# Altium PCB ZhuKong.PcbDoc (part 1 of 6) (continued)
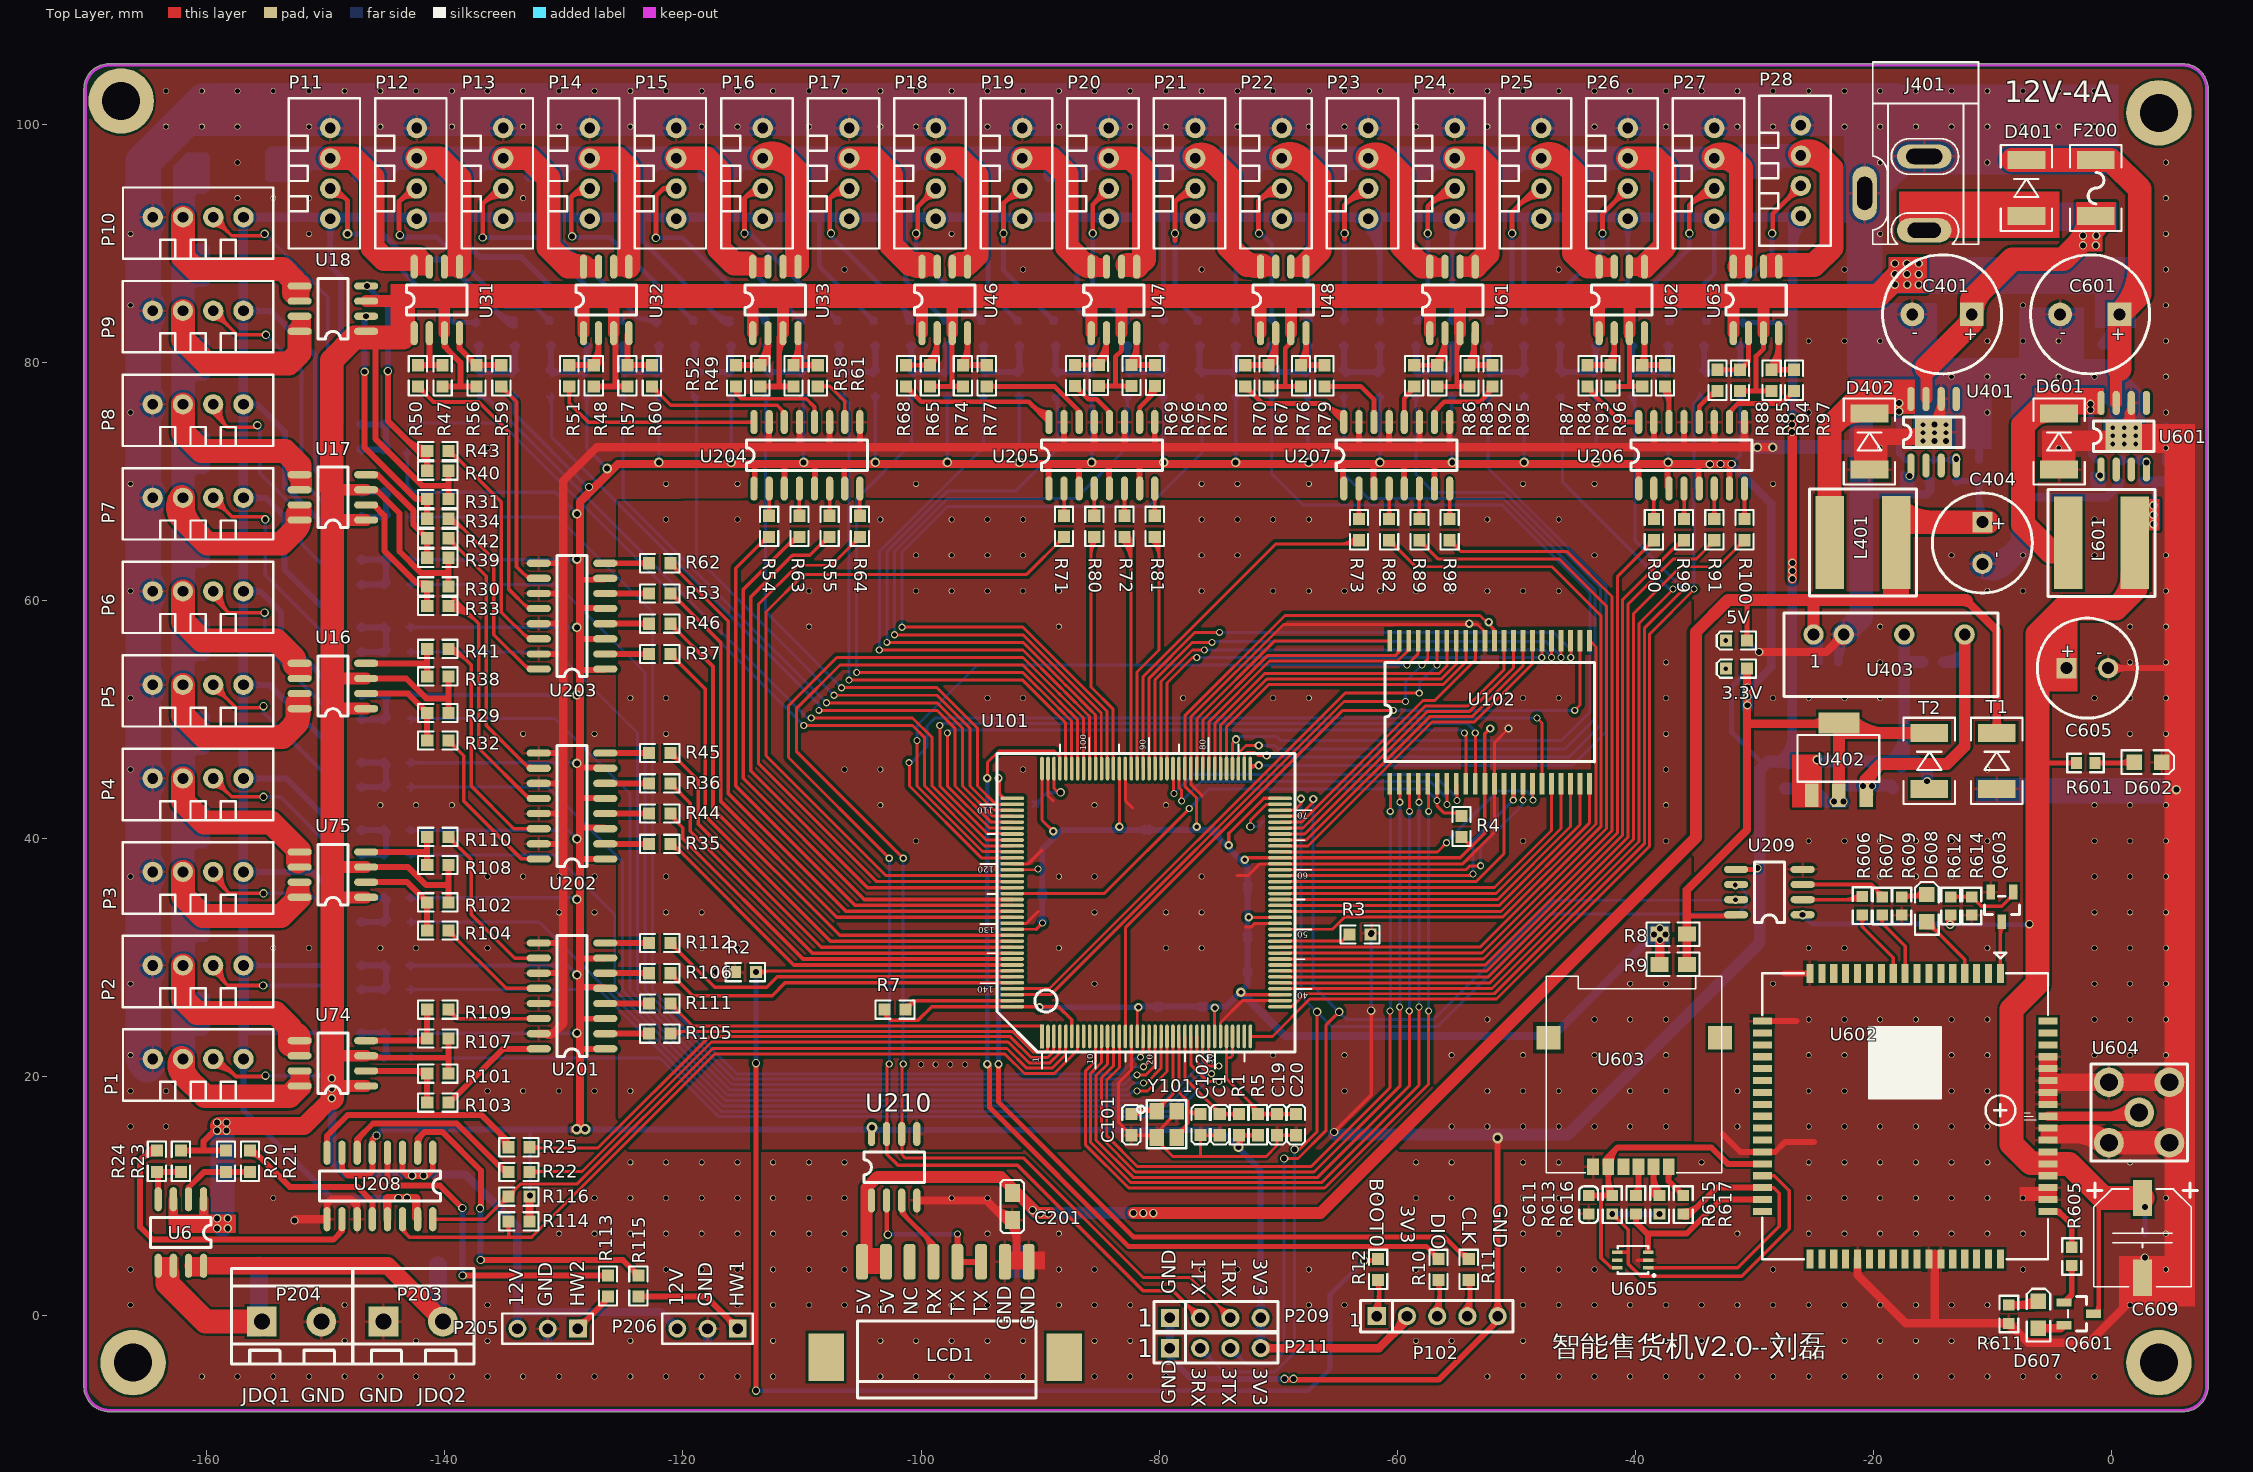
[diagram p0: Top Layer view]
## Components (designator, comment, footprint, x,y, rotation, side; value= is the part's Value field where it differs from the comment) (continued)
R561 "4K7" 0603R -73.564,78.323 r270 bottom
R562 "1K" 0603R -76.592,78.323 r90 bottom
R563 "1K" 0603R -76.592,82.489 r90 bottom
R564 "4K7" 0603R -67.508,78.323 r270 bottom
R565 "1K" 0603R -70.536,78.323 r90 bottom
R566 "1K" 0603R -70.536,82.489 r90 bottom
R567 "4K7" 0603R -61.452,78.323 r270 bottom
R568 "1K" 0603R -64.48,78.323 r90 bottom
R569 "1K" 0603R -64.48,82.489 r90 bottom
R570 "4K7" 0603R -55.397,78.323 r270 bottom
R571 "1K" 0603R -58.424,78.323 r90 bottom
R572 "1K" 0603R -58.424,82.489 r90 bottom
R573 "4K7" 0603R -49.341,78.323 r270 bottom
R574 "1K" 0603R -52.369,78.323 r90 bottom
R575 "1K" 0603R -52.369,82.489 r90 bottom
R576 "4K7" 0603R -43.285,78.323 r270 bottom
R577 "1K" 0603R -46.313,78.323 r90 bottom
R578 "1K" 0603R -46.313,82.489 r90 bottom
R579 "4K7" 0603R -37.229,78.323 r270 bottom
R580 "1K" 0603R -40.257,78.323 r90 bottom
R581 "1K" 0603R -40.257,82.489 r90 bottom
R583 "1K" 0603R -34.201,78.323 r90 bottom
R584 "1K" 0603R -34.201,82.489 r90 bottom
R601 "1K" LC-0603_R -2.159,46.38 r0 top
R602 "10K" 0603R 2.635,70.917 r270 bottom
R603 "4K3" 0603R 0.695,70.917 r270 bottom
R605 "1K" LC-0603_R -3.327,4.928 r90 top
R606 "<100R" LC-0603_R -20.93,34.392 r270 top
R607 "<100R" LC-0603_R -19.253,34.366 r270 top
R609 "1K" LC-0603_R -17.602,34.366 r270 top
R611 "1K" LC-0603_R -8.611,0.076 r270 top
R612 "4.7K" LC-0603_R -13.487,34.366 r90 top
R613 "10K" LC-0603_R -41.929,9.271 r90 top
R614 "47K" LC-0603_R -11.735,34.366 r90 top
R615 "22R" LC-0603_R -37.954,9.271 r270 top
R616 "22R" LC-0603_R -39.941,9.271 r270 top
R617 "22R" LC-0603_R -35.966,9.271 r270 top
R3582 "4K7" 0603R -31.174,78.323 r270 bottom
T1 "SMBJ5.0A" D1812 -9.627,46.558 r90 top
T2 "SMBJ5.0A" D1812 -15.291,46.558 r90 top
T201 "SMBJ15CA" SMBJ -7.149,92.365 r90 bottom
T202 "SMBJ15CA" SMBJ -1.321,92.365 r90 bottom
U6 "AO4813" SO-8 -160.274,9.728 r270 top
U16 "AO4813" SO-8 -146.616,50.942 r180 top
U17 "AO4813" SO-8 -146.616,66.792 r180 top
U18 "AO4813" SO-8 -146.616,82.641 r180 top
U31 "AO4813" SO-8 -142.578,82.489 r90 top
U32 "AO4813" SO-8 -128.357,82.489 r90 top
U33 "AO4813" SO-8 -114.136,82.489 r90 top
U46 "AO4813" SO-8 -99.915,82.489 r90 top
U47 "AO4813" SO-8 -85.694,82.489 r90 top
U48 "AO4813" SO-8 -71.474,82.489 r90 top
U61 "AO4813" SO-8 -57.253,82.489 r90 top
U62 "AO4813" SO-8 -43.032,82.489 r90 top
U63 "AO4813" SO-8 -31.758,82.489 r90 top
U74 "AO4813" SO-8 -146.616,19.243 r180 top
U75 "AO4813" SO-8 -146.616,35.093 r180 top
U101 "STM32F407ZET6" TQFP144 -81.084,34.661 r90 top locked
U102 "IS62WV51216" TSOP44 -60.63,44.653 r90 top
U201 "TLP281-4" SO-16 -126.525,22.367 r180 top
U202 "TLP281-4" SO-16 -126.525,38.318 r180 top
U203 "TLP281-4" SO-16 -126.525,54.27 r180 top
U204 "TLP281-4" SO-16 -114.028,69.433 r90 top
U205 "TLP281-4" SO-16 -89.255,69.433 r90 top
U206 "TLP281-4" SO-16 -39.708,69.433 r90 top
U207 "TLP281-4" SO-16 -64.481,69.433 r90 top
U208 "TLP281-4" SO-16 -141.021,13.64 r270 top
U209 "ADUM1201" SOP_8 -28.727,35.662 r180 top
U210 "ADUM1201" SOP_8 -102.133,12.421 r90 top
U401 "TPS5430DDA" SO-G8 -16.84,71.374 r90 top
U402 "TLV1117LV33DCTY" SOT-233 -22.885,46.711 r0 top
U403 "B0505LM" B0505LM -25.019,57.175 r0 top
U601 "TPS5430DDA" SO-G8 -0.864,71.044 r90 top
U602 "SIM900" GSM_900A -9.322,28.702 r270 top
U603 "SIM_CARD" "MICRO SIM6" -43.536,12.446 r90 top
U604 "SMA天线接口" RF_2 2.337,17.018 r0 top
U605 "SMF05C" SOT-363 -38.913,3.962 r180 top
Y101 "8MHz" X_TXCWY -79.357,16.017 r270 top

## Footprints (in the part's own frame and the unit in brackets; to place one, negate y for a bottom-side part, rotate by r counter-clockwise, add the part's x,y. Pads: shape width x height; smd on the part's side, far side on the other; paste and mask are expansions set on the pad)
0603C [mil]
  rect 40x40 smd: 1(-35,0) 2(35,0)
  silkscreen extent -65,-30 65,30, body extent -31,-16 32,16, height 12
0603LED [mm] "贴片LED"
  rect 1x1 smd: 1(-0.889,0) 2(0.889,0)
  silkscreen extent -1.65,-0.76 1.65,0.76, body extent -0.81,-0.4 0.81,0.4, height 0.6
0603R [mil]
  rect 40x40 smd: 1(-35,0) 2(35,0)
  silkscreen extent -65,-30 65,30, body extent -31,-16 32,16, height 18
0805C [mil]
  rect 60x50 smd: 1(-45,0) 2(45,0)
  silkscreen extent -88,-39 88,39, body extent -39,-25 39,25, height 30
0805LED [mm]
  rect 1.3x1.3 smd: 1(-1.143,0) 2(1.143,0)
  silkscreen extent -2.18,-0.99 2.24,0.99, body extent -1.01,-0.63 1.01,0.62, height 1.1
0805R [mil]
  rect 60x50 smd: 1(-45,0) 2(45,0)
  silkscreen extent -87,-39 88,39, body extent -39,-25 39,25, height 22
B0505LM [mm]
  round 1.7 hole 1: 1(0,0) 2(2.54,0) 3(7.62,0) 4(12.7,0)
  silkscreen extent -2.5,-5.2 15.5,1.8
CAP_10*10 [mil]
  rect 120x62.99 smd: 1(134.05,5) 2(-130.05,5)
  silkscreen extent -159,-176 183,186, body extent -185,-162 189,172, height 256
D1812 [mil]
  rect 60x125 smd: 1(-92.5,0) 2(92.5,0)
  silkscreen extent -142,-85 142,85, body extent -110,-77 110,77, height 98
DC10B [mil]
  oval 80x180 hole 50 slot 110 at 90 deg: 1(419.09,170)
  oval 80x180 hole 50 slot 120 at 90 deg: 2(175,170)
  oval 180x80 hole 50 slot 110 at 0 deg: 3(297.05,-26.85)
  silkscreen extent -138,0 465,350, body extent -130,-32 445,342, height 430
FUSE1 [mil]
  rect 60x125 smd: 1(-92.5,0) 2(92.5,0)
  silkscreen extent -143,-85 143,85, body extent -93,-69 93,69, height 41
GSM_900A [mm]
  rect 1.6x0.6 smd: 1(0,0) 2(0,-1) 3(0,-2) 4(0,-3) 5(0,-4) 6(0,-5) 7(0,-6) 8(0,-7) 9(0,-8) 10(0,-9) 11(0,-10) 12(0,-11) 13(0,-12) 14(0,-13) 15(0,-14) 16(0,-15) 17(0,-16) 35(24,-16) 36(24,-15) 37(24,-14) 38(24,-13) 39(24,-12) 40(24,-11) 41(24,-10) 42(24,-9) 43(24,-8) 44(24,-7) 45(24,-6) 46(24,-5) 47(24,-4) 48(24,-3) 49(24,-2) 50(24,-1) 51(24,0)
  rect 0.6x1.6 smd: 18(4,-20) 19(5,-20) 20(6,-20) 21(7,-20) 22(8,-20) 23(9,-20) 24(10,-20) 25(11,-20) 26(12,-20) 27(13,-20) 28(14,-20) 29(15,-20) 30(16,-20) 31(17,-20) 32(18,-20) 33(19,-20) 34(20,-20) 52(20,4) 53(19,4) 54(18,4) 55(17,4) 56(16,4) 57(15,4) 58(14,4) 59(13,4) 60(12,4) 61(11,4) 62(10,4) 63(9,4) 64(8,4) 65(7,4) 66(6,4) 67(5,4) 68(4,4)
  silkscreen extent -1.75,-20 24,4, body extent 0,-20 24,4, height 3.02
HDR1X3 [mm] "Connector; Header; 3 Position"
  rect 1.5x1.5 hole 0.9: 1(0,0)
  round 1.5 hole 0.9: 2(2.54,0) 3(5.08,0)
  silkscreen extent -1.27,-1.27 6.35,1.27, body extent -1.27,-1.27 6.35,1.27, height 7.58
HEAD2L-0.8 [mm]
  rect 2.5x2.5 hole 1.35: 1(0,0)
  round 2.5 hole 1.35: 2(5,0)
  silkscreen extent -2.54,-3.56 7.62,4.44, body extent -2.46,-2.54 7.54,5.46, height 11
LC-0603_C [mm]
  rect 0.93x0.98 smd: 1(-0.77,0) 2(0.77,0)
  silkscreen extent -1.53,-0.79 1.54,0.79, body extent -0.8,-0.4 0.8,0.4, height 0.3
LC-0603_R [mm]
  rect 0.93x0.98 smd: 1(-0.77,0) 2(0.77,0)
  silkscreen extent -1.53,-0.79 1.54,0.79, body extent -0.85,-0.4 0.85,0.4, height 0.56
LC-SOT-23(SOT-23-3) [mm]
  rect 1.25x0.7 smd: 1(1.25,-0.95) 2(1.25,0.95) 3(-1.25,0)
  silkscreen extent -0.65,-1.46 0.9,1.46, body extent -1.5,-1.5 1.5,1.5, height 1.3
lcd_JIEKOU [mm]
  rect 4x3 smd: 0(8,10) 0(8,-10)
  rrect50% 3x1 smd: 1(0,7.015) 2(0,5.015) 3(0,3.015) 4(0,1.015) 5(0,-0.985) 6(0,-2.985) 7(0,-4.985) 8(0,-6.985)
  silkscreen extent 4.95,-7.37 11.43,7.62
"MICRO SIM6" [mm] "掀盖式"
  rect 1.4x1 smd: 1(0,-1.27) 2(0,-3.81) 3(0,-6.35) 4(0,0) 5(0,-2.54) 6(0,-5.08)
  rect 2x2 smd: ""(10.85,-10.65) ""(10.85,3.75)
  silkscreen extent -0.51,-10.79 16,3.94
NR8040 [mm]
  rect 2.4x7.8 smd: 1(-2.806,-0.021) 2(2.794,-0.021)
  silkscreen extent -4.5,-4.53 4.5,4.47
RB035-080 [mm]
  rect 1.7x1.7 hole 1: 1(-0.01,-0.011)
  round 1.7 hole 1: 2(3.49,-0.011)
  silkscreen extent -2.46,-4.21 5.94,4.19, body extent -2.3,-4.01 5.75,4.04, height 11.73
RB050-100 [mm]
  rect 2x2 hole 1: 1(-2.5,0)
  round 2 hole 1: 2(2.5,0)
  silkscreen extent -5.01,-5 4.99,5, body extent -5.08,-5.08 5.08,5.08, height 10.16
RF_2 [mm] "SMA"
  round 2.5 hole 1.5: 1(-2.54,2.54) 2(2.54,2.54) 3(0,0) 4(-2.54,-2.54) 5(2.54,-2.54)
  silkscreen extent -4.06,-4.06 4.06,4.06
SIP4 [mil]
  rect 60x60 hole 35: 1(0,0)
  round 60 hole 35: 2(100,0) 3(200,0) 4(300,0)
  silkscreen extent -53,-49 358,55, body extent -50,-50 350,50, height 336
SIP5 [mil]
  rect 60x60 hole 35: 1(0,0)
  round 60 hole 35: 2(100,0) 3(200,0) 4(300,0) 5(400,0)
  silkscreen extent -53,-52 450,52, body extent -50,-50 450,50, height 336
SMBJ [mil]
  rect 60x125 smd: 1(-0.92,0.47) 2(184.08,0.47)
  silkscreen extent -51,-85 234,85
SO-8 [mil]
  oval 80x24 smd: 1(0,0) 2(0,-50) 3(0,-100) 4(0,-150) 5(220,-150) 6(220,-100) 7(220,-50) 8(220,0)
  silkscreen extent 60,-175 160,25, body extent -8,-171 228,21, height 67
SO-16 [mil]
  oval 80x24 smd: 1(0,0) 2(0,-50) 3(0,-100) 4(0,-150) 5(0,-200) 6(0,-250) 7(0,-300) 8(0,-350) 9(220,-350) 10(220,-300) 11(220,-250) 12(220,-200) 13(220,-150) 14(220,-100) 15(220,-50) 16(220,0)
  silkscreen extent 60,-375 160,25, body extent -11,-371 231,21, height 70
SO-G8 [mil]
  oval 80x24 smd: 1(0,0) 2(0,-50) 3(0,-100) 4(0,-150) 5(220,-150) 6(220,-100) 7(220,-50) 8(220,0)
  rect 94.49x122.05 smd: 9(110,-75)
  silkscreen extent 60,-175 160,25, body extent -8,-171 228,21, height 67
SOP_8 [mil] "SOP_8"
  oval 80x24 smd: 1(-110,80) 2(-110,30) 3(-110,-20) 4(-110,-70) 5(110,-70) 6(110,-20) 7(110,30) 8(110,80)
  silkscreen extent -50,-95 50,105, body extent -118,-91 118,101, height 69
SOT-233 [mil]
  rect 45x78.74 smd: 1(-90.55,-119.5) 2(0,-119.5) 3(90.55,-119.5)
  rect 135x70 smd: 4(0,119.5)
  silkscreen extent -137,-76 133,79, body extent -128,-137 128,137, height 67
SOT-363 [mm]
  rect 0.9x0.3 smd: 1(0,0) 2(0,-0.65) 3(0,-1.3) 4(2.6,-1.3) 5(2.6,-0.65) 6(2.6,0)
  silkscreen extent -0.51,-1.84 2.54,0.63
TQFP144 [mm]
  rect 2x0.3 smd: 1(-11.25,8.75)
  oval 2x0.3 smd: 2(-11.25,8.25) 3(-11.25,7.75) 4(-11.25,7.25) 5(-11.25,6.75) 6(-11.25,6.25) 7(-11.25,5.75) 8(-11.25,5.25) 9(-11.25,4.75) 10(-11.25,4.25) 11(-11.25,3.75) 12(-11.25,3.25) 13(-11.25,2.75) 14(-11.25,2.25) 15(-11.25,1.75) 16(-11.25,1.25) 17(-11.25,0.75) 18(-11.25,0.25) 19(-11.25,-0.25) 20(-11.25,-0.75) 21(-11.25,-1.25) 22(-11.25,-1.75) 23(-11.25,-2.25) 24(-11.25,-2.75) 25(-11.25,-3.25) 26(-11.25,-3.75) 27(-11.25,-4.25) 28(-11.25,-4.75) 29(-11.25,-5.25) 30(-11.25,-5.75) 31(-11.25,-6.25) 32(-11.25,-6.75) 33(-11.25,-7.25) 34(-11.25,-7.75) 35(-11.25,-8.25) 36(-11.25,-8.75) 73(11.25,-8.75) 74(11.25,-8.25) 75(11.25,-7.75) 76(11.25,-7.25) 77(11.25,-6.75) 78(11.25,-6.25) 79(11.25,-5.75) 80(11.25,-5.25) 81(11.25,-4.75) 82(11.25,-4.25) 83(11.25,-3.75) 84(11.25,-3.25) 85(11.25,-2.75) 86(11.25,-2.25) 87(11.25,-1.75) 88(11.25,-1.25) 89(11.25,-0.75) 90(11.25,-0.25) 91(11.25,0.25) 92(11.25,0.75) 93(11.25,1.25) 94(11.25,1.75) 95(11.25,2.25) 96(11.25,2.75) 97(11.25,3.25) 98(11.25,3.75) 99(11.25,4.25) 100(11.25,4.75) 101(11.25,5.25) 102(11.25,5.75) 103(11.25,6.25) 104(11.25,6.75) 105(11.25,7.25) 106(11.25,7.75) 107(11.25,8.25) 108(11.25,8.75)
  oval 0.3x2 smd: 37(-8.75,-11.25) 38(-8.25,-11.25) 39(-7.75,-11.25) 40(-7.25,-11.25) 41(-6.75,-11.25) 42(-6.25,-11.25) 43(-5.75,-11.25) 44(-5.25,-11.25) 45(-4.75,-11.25) 46(-4.25,-11.25) 47(-3.75,-11.25) 48(-3.25,-11.25) 49(-2.75,-11.25) 50(-2.25,-11.25) 51(-1.75,-11.25) 52(-1.25,-11.25) 53(-0.75,-11.25) 54(-0.25,-11.25) 55(0.25,-11.25) 56(0.75,-11.25) 57(1.25,-11.25) 58(1.75,-11.25) 59(2.25,-11.25) 60(2.75,-11.25) 61(3.25,-11.25) 62(3.75,-11.25) 63(4.25,-11.25) 64(4.75,-11.25) 65(5.25,-11.25) 66(5.75,-11.25) 67(6.25,-11.25) 68(6.75,-11.25) 69(7.25,-11.25) 70(7.75,-11.25) 71(8.25,-11.25) 72(8.75,-11.25) 109(8.75,11.25) 110(8.25,11.25) 111(7.75,11.25) 112(7.25,11.25) 113(6.75,11.25) 114(6.25,11.25) 115(5.75,11.25) 116(5.25,11.25) 117(4.75,11.25) 118(4.25,11.25) 119(3.75,11.25) 120(3.25,11.25) 121(2.75,11.25) 122(2.25,11.25) 123(1.75,11.25) 124(1.25,11.25) 125(0.75,11.25) 126(0.25,11.25) 127(-0.25,11.25) 128(-0.75,11.25) 129(-1.25,11.25) 130(-1.75,11.25) 131(-2.25,11.25) 132(-2.75,11.25) 133(-3.25,11.25) 134(-3.75,11.25) 135(-4.25,11.25) 136(-4.75,11.25) 137(-5.25,11.25) 138(-5.75,11.25) 139(-6.25,11.25) 140(-6.75,11.25) 141(-7.25,11.25) 142(-7.75,11.25) 143(-8.25,11.25) 144(-8.75,11.25)
  silkscreen extent -13.97,-13.91 13.85,13.93, body extent -11.1,-11.1 11.1,11.1, height 1.9
TSOP44 [mm]
  rect 1.8x0.4 smd: 1(-0.009,0.001) 2(-0.009,-0.799) 3(-0.009,-1.599) 4(-0.009,-2.399) 5(-0.009,-3.199) 6(-0.009,-3.999) 7(-0.009,-4.799) 8(-0.009,-5.599) 9(-0.009,-6.399) 10(-0.009,-7.199) 11(-0.009,-7.999) 12(-0.009,-8.799) 13(-0.009,-9.599) 14(-0.009,-10.399) 15(-0.009,-11.199) 16(-0.009,-11.999) 17(-0.009,-12.799) 18(-0.009,-13.599) 19(-0.009,-14.399) 20(-0.009,-15.199) 21(-0.009,-15.999) 22(-0.009,-16.799) 23(11.991,-16.799) 24(11.991,-15.999) 25(11.991,-15.199) 26(11.991,-14.399) 27(11.991,-13.599) 28(11.991,-12.799) 29(11.991,-11.999) 30(11.991,-11.199) 31(11.991,-10.399) 32(11.991,-9.599) 33(11.991,-8.799) 34(11.991,-7.999) 35(11.991,-7.199) 36(11.991,-6.399) 37(11.991,-5.599) 38(11.991,-4.799) 39(11.991,-3.999) 40(11.991,-3.199) 41(11.991,-2.399) 42(11.991,-1.599) 43(11.991,-0.799) 44(11.991,0.001)
  silkscreen extent 1.83,-17.2 10.16,0.4
X_TXCWY [mm]
  rect 1.4x1.2 smd: 1(-1.1,-0.85) 2(1.1,-0.85) 3(1.1,0.85) 4(-1.1,0.85)
  silkscreen extent -2.01,-2.47 2,1.65, body extent -1.6,-1.28 1.6,1.22, height 0.72
XH2.54-1*10 [mm]
  round 1.7 hole 0.9: 1(-4.064,0.508) 2(-1.524,0.508) 3(1.016,0.508) 4(3.556,0.508)
  silkscreen extent -6.56,-2.99 6.06,3.01, body extent -6.43,-3.18 5.97,2.92, height 7

## Part data
3.3V 5V D602 D607 D608: library part LED_SMD, "贴片LED"
C1 C3 C4 C5 C6 C7 C8 C9 C10 C11 C17 C18 C19 C20 C21 C22: library part Cap, "无极性电容"
C101 C102 C201 C402 C403 C603: library part CAP, "Capacitor"
C401 C404 C407 C408 C409 C410 C601 C605: library part CAPACITOR, "Capacitor"
C405 C412 C413: library part 0805C, "Capacitor 0805"
C411 C609: library part CAP
C501 C502 C503 C504 C505 C506 C507 C508 C509 C510 C511 C512 C513 C514 C515 C516 C517 C518 C519 C520 C521 C522 C523 C524 C525 C526 C527 C528: library part 0603C
C602 C604 C610 C611: library part "0603 1uF (105) 10% 50V", "贴片电容"
C606: library part "0603 1.0pF (010) 0.25pF 50V", "贴片电容"
D5 D6 D9 D10 D11 D12 D13 D14 D15 D16 D17 D18 D19 D20 D21 D22 D23 D24 D25 D26 D27 D28 D29 D30 D31 D32 D33 D34 D35 D36: library part D
D401: library part 1N5822, "Zener Diode"
D402 D601: "Zener Diode"
F200: library part FUSE2, "Fuse"
J401: library part POW
L401 L601: library part INDUCTOR
LCD1: library part Component_1
P1 P2 P3 P4 P5 P6 P7 P8 P9 P10 P11 P12 P13 P14 P15 P16 P17 P18 P19 P20 P21 P22 P23 P24 P25 P26 P27 P28: "Header, 4-Pin"
P102 P209 P211: "Connector"
P203 P204: "Header, 2-Pin"
P205 P206: "Header, 3-Pin"
Q601 Q603: library part "SOT-23 SS8050 Y1", "三极管"
R1 R2 R3 R4 R5 R7 R8 R9 R20 R21 R22 R23 R24 R25 R29 R30 R31 R32 R33 R34 R35 R36 R37 R38 R39 R40 R41 R42 R43 R44 R45 R46 R47 R48 R49 R50 R51 R52 R53 R54 R55 R56 R57 R58 R59 R60 R61 R62 R63 R64 R65 R66 R67 R68 R69 R70 R71 R72 R73 R74 R75 R76 R77 R78 R79 R80 R81 R82 R83 R84 R85 R86 R87 R88 R89 R90 R91 R92 R93 R94 R95 R96 R97 R98 R99 R100 R101 R102 R103 R104 R105 R106 R107 R108 R109 R110 R111 R112 R113 R114 R115 R116: library part "0603 2.7KΩ (2701) 1%", "贴片电阻"
R10 R11 R12 R501 R502 R503 R504 R505 R506 R507 R508 R509 R510 R511 R512 R513 R514 R515 R516 R517 R518 R519 R520 R521 R522 R523 R524 R525 R526 R527 R528 R529 R530 R531 R532 R533 R534 R535 R536 R537 R538 R539 R540 R541 R542 R543 R544 R545 R546 R547 R548 R549 R550 R551 R552 R553 R554 R555 R556 R557 R558 R559 R560 R561 R562 R563 R564 R565 R566 R567 R568 R569 R570 R571 R572 R573 R574 R575 R576 R577 R578 R579 R580 R581 R583 R584 R3582: library part 0603R
R16 R18: library part Res1, "贴片电阻"
R401 R402 R602 R603: library part RES1
R601 R605 R606 R607 R609 R611 R612 R613 R614 R615 R616 R617: library part "0603 2KΩ (2001) 1%", "贴片电阻"
T1 T2: library part SS36, "Zener Diode"
T201 T202: library part TVS
U6 U16 U17 U18 U31 U32 U33 U46 U47 U48 U61 U62 U63 U74 U75: library part NDS8434
U201 U202 U203 U204 U205 U206 U207 U208: library part TP521-4_1
U209 U210: "串口隔离"
U402: library part LM1117
U403: "DC/DC隔离电源（Mornsun）"
U603: "SIM中卡卡槽"
U604: library part CON5, "Connector"
U605: "TVS"
Y101: library part SMD3225

## Free pads (board coordinates)
  round 5.5 hole 3.2: 0(-167.2,102) 1(4,101) 2(4,-4) 3(-166.2,-4)

## Via types
v1: diameter 0.5, hole 0.4, Top Layer to Bottom Layer, tented both sides, 554 vias
v2: diameter 0.7, hole 0.5, Top Layer to Bottom Layer, tented both sides, 134 vias
v3: diameter 0.6, hole 0.4, Top Layer to Bottom Layer, tented both sides, 77 vias
v4: diameter 0.7, hole 0.4, Top Layer to Bottom Layer, tented both sides, 40 vias
v5: diameter 0.8, hole 0.5, Top Layer to Bottom Layer, tented both sides, 32 vias
v6: diameter 0.5, hole 0.4, Top Layer to Bottom Layer, 5 vias
v7: diameter 0.9, hole 0.5, Top Layer to Bottom Layer, tented both sides, 4 vias
v8: diameter 0.5, hole 0.4, Top Layer to Bottom Layer, tented bottom, 1 vias
v9: diameter 0.8, hole 0.4, Top Layer to Bottom Layer, tented both sides, 1 vias

## Nets (pads, with @x,y where several pads share a name; then routed paths per layer and width w, separated by ;. In a path a pad name is that pad's centre, name@x,y a point inside that pad or via, vN(x,y) a via of type N, cw(c..) or ccw(c..) an arc to the next point about the centre after c; other vN are vias at no path point)
BOOT0: R2.1 R12.1 U101.138 | length 118.9
  Top Layer w0.25: R2.1@-113.868,28.886 -92.359,28.886 U101.138@-92.334,28.911 ; R2.1@-113.774,28.71 cw(c-113.349,28.284) -113.349,28.886 ; R2.1@-113.597,28.533 cw(c-112.745,27.68) -112.745,28.886 ; R2.1@-113.597,29.074 ccw(c-113.142,29.53) -113.142,28.886
  Top Layer w0.4: v2(-113.868,-6.35) v2(-113.868,21.158) ; v2(-62.763,4.572) R12.1@-61.747,4.572
  Bottom Layer w0.4: v2(-113.868,-6.35) -67.488,-6.35 -65.634,-4.496 -65.634,1.727 -65.608,1.727 v2(-62.763,4.572) ; v2(-113.868,21.158) v2(-113.868,28.804)
BOOT1: R3.1 U101.48 | length 7.6
  Top Layer w0.25: U101.48@-69.834,31.411 -64.627,31.411 R3.1@-63.932,32.106 ; R3.1@-64.315,32.106 cw(c-65.239,32.106) -64.586,31.452 cw(c-63.932,30.798) R3.1@-63.932,31.723
DBG_RXD: U602.28
DBG_TXD: U602.27
EPN1: U602.22
EPP1: U602.21
FEED_01: P1.3 R503.2 | length 18.4
  Top Layer w0.3: P1.3@-159.461,21.514 -159.029,21.514 -157.556,20.041 ; P1.3@-159.46,21.414 cw(c-159.446,20.167) -158.564,21.049 ; P1.3@-159.457,21.114 cw(c-159.435,19.17) -158.06,20.545 ; P1.3@-159.453,20.814 cw(c-159.423,18.174) -157.556,20.041 ; P1.3@-158.761,21.514 ccw(c-158.114,21.514) -158.572,21.056 ; v2(-155.067,20.117) -154.991,20.041 -157.556,20.041
  Bottom Layer w0.3: v2(-155.067,20.117) -150.543,20.117 R503.2@-148.979,21.681 ; R503.2@-149.337,21.681 cw(c-150.201,21.681) -149.59,21.07 cw(c-148.979,20.459) R503.2@-148.979,21.323
FEED_02: P2.3 R506.2 | length 18.6
  Top Layer w0.3: P2.3@-159.469,28.671 cw(c-159.469,28.087) -159.056,28.5 ; P2.3@-159.469,29.371 -159.469,28.913 -158.242,27.686 ; P2.3@-159.37,29.357 ccw(c-158.41,29.224) -159.095,28.539 ; P2.3@-159.073,29.316 ccw(c-157.661,29.12) -158.669,28.113 ; P2.3@-158.775,29.275 ccw(c-156.911,29.017) -158.242,27.686 ; v2(-155.27,27.686) -158.242,27.686
  Bottom Layer w0.3: v2(-155.27,27.686) -149.313,27.686 R506.2@-148.979,27.351 ; -150.651,27.686 cw(c-150.651,25.679) R506.2@-149.232,27.098 ; -149.927,27.686 cw(c-149.927,26.403) R506.2@-149.02,27.31
FEED_03: P3.3 R509.2 | length 18.6
  Top Layer w0.3: P3.3@-159.469,36.528 cw(c-159.469,35.964) -159.07,36.363 ; P3.3@-159.469,37.228 -159.469,36.761 -158.14,35.433 ; P3.3@-159.369,37.219 ccw(c-158.27,37.123) -159.05,36.343 ; P3.3@-159.07,37.193 ccw(c-157.434,37.05) -158.595,35.888 ; P3.3@-158.771,37.167 ccw(c-156.597,36.976) -158.14,35.433 ; v2(-155.245,35.433) -158.14,35.433
  Bottom Layer w0.3: v2(-155.245,35.433) -151.391,35.433 R509.2@-148.979,33.021 ; R509.2@-149.337,33.021 ccw(c-150.201,33.021) -149.59,33.632 ccw(c-148.979,34.243) R509.2@-148.979,33.379
FEED_04: P4.3 R512.2 | length 18.7
  Top Layer w0.3: P4.3@-159.469,44.385 cw(c-159.469,42.695) -158.274,43.89 cw(c-157.079,45.085) P4.3@-158.769,45.085 ; P4.3@-159.469,44.685 cw(c-159.469,43.719) -158.786,44.402 cw(c-158.103,45.085) P4.3@-159.069,45.085 ; P4.3@-159.469,45.085 -157.919,43.536 v2(-155.245,43.536)
  Bottom Layer w0.3: v2(-155.245,43.536) -153.823,43.536 R512.2@-148.979,38.691 ; R512.2@-149.337,38.691 ccw(c-150.201,38.691) -149.59,39.302 ccw(c-148.979,39.913) R512.2@-148.979,39.049
FEED_05: P5.3 R515.2 | length 20
  Top Layer w0.3: P5.3@-159.469,52.242 cw(c-159.469,50.552) -158.274,51.747 cw(c-157.079,52.942) P5.3@-158.769,52.942 ; P5.3@-159.469,52.542 cw(c-159.469,51.576) -158.786,52.259 cw(c-158.103,52.942) P5.3@-159.069,52.942 ; P5.3@-159.469,52.942 -157.53,51.003 -155.397,51.003 v2(-155.245,51.156)
  Bottom Layer w0.3: v2(-155.245,51.156) -155.245,50.627 R515.2@-148.979,44.361 ; R515.2@-149.337,44.361 ccw(c-150.201,44.361) -149.59,44.972 ccw(c-148.979,45.583) R515.2@-148.979,44.719
FEED_06: P6.3 R518.2 | length 22.9
  Top Layer w0.3: P6.3@-159.469,60.099 cw(c-159.469,59.658) -159.157,59.97 ; P6.3@-159.469,60.799 -159.469,60.282 -158.191,59.004 ; P6.3@-159.37,60.786 ccw(c-158.278,60.647) -159.056,59.869 ; P6.3@-159.072,60.749 ccw(c-157.511,60.55) -158.624,59.437 ; P6.3@-158.774,60.711 ccw(c-156.744,60.452) -158.191,59.004 ; v2(-155.143,59.004) -158.191,59.004
  Bottom Layer w0.3: v2(-155.143,59.004) -155.143,56.195 R518.2@-148.979,50.031 ; R518.2@-149.337,50.031 ccw(c-150.201,50.031) -149.59,50.642 ccw(c-148.979,51.253) R518.2@-148.979,50.389
FEED_07: P7.3 R521.2 | length 25.1
  Top Layer w0.3: P7.3@-159.469,67.956 cw(c-159.469,66.266) -158.274,67.461 cw(c-157.079,68.656) P7.3@-158.769,68.656 ; P7.3@-159.469,68.256 cw(c-159.469,67.291) -158.786,67.973 cw(c-158.103,68.656) P7.3@-159.069,68.656 ; P7.3@-159.469,68.656 -157.894,67.081 -155.321,67.081 v2(-155.092,66.853)
  Bottom Layer w0.3: v2(-155.092,66.853) -155.092,62.173 -148.979,56.059 R521.2@-148.979,55.7 ; -149.843,56.923 cw(c-151.066,55.7) R521.2@-149.337,55.7 ; -149.331,56.411 cw(c-150.042,55.7) R521.2@-149.037,55.7
FEED_08: P8.3 R524.2 | length 28.1
  Top Layer w0.3: P8.3@-159.469,76.513 -159.469,75.776 -158.293,74.6 ; P8.3@-159.372,76.49 ccw(c-158.2,76.21) -159.052,75.359 ; P8.3@-159.08,76.42 ccw(c-157.587,76.064) -158.672,74.979 ; P8.3@-158.788,76.351 ccw(c-156.975,75.918) -158.293,74.6 ; v2(-155.753,74.752) -155.753,74.676 -155.829,74.6 -158.293,74.6
  Bottom Layer w0.3: v2(-155.753,74.752) -155.542,74.541 -155.542,70.731 -152.044,67.234 -152.044,64.806 -148.979,61.74 R524.2@-148.979,61.37 ; -149.851,62.612 cw(c-151.093,61.37) R524.2@-149.337,61.37 ; -149.339,62.1 cw(c-150.069,61.37) R524.2@-149.037,61.37
FEED_09: P9.3 R527.2 | length 28.6
  Top Layer w0.3: P9.3@-159.469,83.67 cw(c-159.469,81.98) -158.274,83.175 cw(c-157.079,84.37) P9.3@-158.769,84.37 ; P9.3@-159.469,83.97 cw(c-159.469,83.005) -158.786,83.687 cw(c-158.103,84.37) P9.3@-159.069,84.37 ; P9.3@-159.469,84.37 -157.445,82.347 v2(-155.042,82.347)
  Bottom Layer w0.3: v2(-155.042,82.347) -152.044,79.35 -152.044,70.106 R527.2@-148.979,67.04 ; R527.2@-149.337,67.04 ccw(c-150.201,67.04) -149.59,67.651 ccw(c-148.979,68.262) R527.2@-148.979,67.398
FEED_10: P10.3 R530.2 | length 32.1
  Top Layer w0.3: P10.3@-159.461,91.527 cw(c-159.461,89.837) -158.266,91.032 cw(c-157.071,92.227) P10.3@-158.761,92.227 ; P10.3@-159.461,91.827 cw(c-159.461,90.862) -158.778,91.545 cw(c-158.096,92.227) P10.3@-159.061,92.227 ; P10.3@-159.461,92.227 -157.912,90.678 -155.296,90.678 v2(-155.143,90.83)
  Bottom Layer w0.3: v2(-155.143,90.83) -149.837,85.524 -149.837,73.96 ; -149.339,73.462 cw(c-150.069,72.732) R530.2@-149.037,72.711 ; R530.2@-149.337,72.717 ccw(c-151.045,72.752) -149.837,73.96 ; R530.2@-148.979,72.71 -148.979,73.102 -149.837,73.96
FEED_11: P11.3 R533.2 | length 22.7
  Top Layer w0.4: P11.3@-149.631,94.64 -149.174,94.64 -148.184,93.65 ; P11.3@-149.571,94.398 cw(c-149.347,93.489) -148.685,94.151 ; P11.3@-149.475,94.009 cw(c-149.148,92.686) -148.184,93.65 ; P11.3@-148.981,94.64 ccw(c-148.516,94.64) -148.845,94.311 ; v5(-148.184,90.83) -148.184,93.65
  Bottom Layer w0.4: v5(-148.184,90.83) -146.71,90.83 -139.258,83.378 R533.2@-137.149,83.378 ; R533.2@-137.367,83.16 ccw(c-137.893,82.634) -137.893,83.378 ccw(c-137.893,84.122) R533.2@-137.367,83.596
FEED_12: P12.3 R536.2 | length 24.1
  Top Layer w0.4: -143.866,93.548 cw(c-142.727,92.41) P12.3@-142.468,93.999 ; -143.84,91.186 -143.866,91.211 -143.866,93.548 -142.773,94.64 P12.3@-142.364,94.64 ; -143.313,94.1 cw(c-142.573,93.36) P12.3@-142.404,94.394 ; -143.184,94.23 ccw(c-143.595,94.64) P12.3@-143.014,94.64
  Bottom Layer w0.4: v2@-143.789,90.576 -140.741,90.576 -134.899,84.734 -132.45,84.734 R536.2@-131.093,83.378 ; R536.2@-131.401,83.378 ccw(c-132.145,83.378) -131.619,83.904 ccw(c-131.093,84.43) R536.2@-131.093,83.686
  other v2: -143.789,90.729
FEED_13: P13.3 R539.2 | length 24.1
  Top Layer w0.4: v2(-136.83,90.526) -136.83,93.37 -135.56,94.64 P13.3@-135.097,94.64 ; -136.83,93.37 cw(c-135.313,91.854) P13.3@-135.147,93.992 ; -136.215,93.985 cw(c-135.224,92.994) P13.3@-135.116,94.391
  Bottom Layer w0.4: v2(-136.83,90.526) -132.185,90.526 R539.2@-125.038,83.378 ; R539.2@-125.346,83.378 ccw(c-126.089,83.378) -125.563,83.904 ccw(c-125.038,84.43) R539.2@-125.038,83.686
FEED_14: P14.3 R542.2 | length 22.3
  Top Layer w0.4: v2@-129.337,90.526 -129.388,90.576 -129.388,93.929 ; -129.024,94.293 cw(c-128.405,93.674) P14.3@-127.957,94.426 ; P14.3@-128.162,94.082 ccw(c-128.677,93.218) -129.388,93.929 ; P14.3@-127.829,94.64 -128.676,94.64 -129.388,93.929
  Bottom Layer w0.4: v2@-129.337,90.551 -126.155,90.551 R542.2@-118.982,83.378 ; R542.2@-119.29,83.378 ccw(c-120.034,83.378) -119.508,83.904 ccw(c-118.982,84.43) R542.2@-118.982,83.686
  other v2: -129.311,90.627
FEED_15: P15.3 R545.2 | length 20.2
  Top Layer w0.4: v2(-122.276,90.5) -122.276,94.005 -121.641,94.64 P15.3@-120.562,94.64 ; P15.3@-121.137,94.337 ccw(c-121.641,94.07) -121.641,94.64 ccw(c-121.641,95.21) P15.3@-121.137,94.944
  Bottom Layer w0.4: v2(-122.276,90.5) -120.048,90.5 R545.2@-112.926,83.378 ; R545.2@-113.234,83.378 ccw(c-113.978,83.378) -113.452,83.904 ccw(c-112.926,84.43) R545.2@-112.926,83.686
FEED_16: P16.3 R548.2 | length 19.8
  Top Layer w0.4: v2@-114.833,90.653 -114.833,93.828 ; -114.429,94.232 cw(c-113.785,93.587) P16.3@-113.4,94.414 ; P16.3@-113.569,94.051 ccw(c-114.041,93.036) -114.833,93.828 ; P16.3@-113.294,94.64 -114.021,94.64 -114.833,93.828
  Bottom Layer w0.4: v2(-114.833,90.881) -114.374,90.881 R548.2@-106.87,83.378 ; R548.2@-107.178,83.378 ccw(c-107.922,83.378) -107.396,83.904 ccw(c-106.87,84.43) R548.2@-106.87,83.686
FEED_17: P17.3 R551.2 | length 21
  Top Layer w0.4: v2@-107.569,90.83 -107.671,90.932 -107.671,93.828 ; -107.274,94.225 cw(c-106.571,93.522) P17.3@-106.136,94.416 ; P17.3@-106.311,94.056 ccw(c-106.831,92.988) -107.671,93.828 ; P17.3@-106.027,94.64 -106.858,94.64 -107.671,93.828
  Bottom Layer w0.4: v2@-107.569,90.678 -100.815,83.924 ; -101.726,84.835 cw(c-103.184,83.378) R551.2@-101.123,83.378 ; -101.044,84.152 cw(c-101.818,83.378) R551.2@-100.723,83.378 ; R551.2@-100.974,83.642 ccw(c-101.144,83.924) -100.815,83.924 ; R551.2@-100.815,83.378 -100.815,83.924 ; R551.2@-100.656,83.642 cw(c-100.485,83.924) -100.815,83.924
  other v2: -107.569,90.881
FEED_18: P18.3 R554.2 | length 18.4
  Top Layer w0.4: -100.406,90.5 -100.279,90.627 -100.279,93.121 P18.3@-98.76,94.64 ; P18.3@-99.41,94.64 cw(c-100.979,94.64) -99.869,93.531 cw(c-98.76,92.421) P18.3@-98.76,93.99
  Bottom Layer w0.4: v2@-100.406,91.031 -100.406,89.025 R554.2@-94.759,83.378 ; R554.2@-95.067,83.378 ccw(c-95.811,83.378) -95.285,83.904 ccw(c-94.759,84.43) R554.2@-94.759,83.686
  other v2: -100.406,90.881
FEED_19: P19.3 R557.2 | length 19
  Top Layer w0.4: -93.066,90.272 -93.066,93.421 -91.846,94.64 P19.3@-91.492,94.64 ; -93.066,93.421 cw(c-91.676,92.032) P19.3@-91.538,93.992 ; -92.445,94.042 cw(c-91.594,93.191) P19.3@-91.51,94.391 ; -92.352,94.135 ccw(c-92.857,94.64) P19.3@-92.142,94.64
  Bottom Layer w0.4: v2(-93.066,90.881) -93.066,87.74 R557.2@-88.703,83.378 ; R557.2@-89.011,83.378 ccw(c-89.755,83.378) -89.229,83.904 ccw(c-88.703,84.43) R557.2@-88.703,83.686
FEED_20: P20.3 R560.2 | length 16.7
  Top Layer w0.4: v2@-85.573,90.805 -85.573,93.293 P20.3@-84.225,94.64 ; P20.3@-84.875,94.64 cw(c-86.444,94.64) -85.335,93.531 cw(c-84.225,92.421) P20.3@-84.225,93.99
  Bottom Layer w0.4: v2@-85.573,90.805 -85.573,86.303 R560.2@-82.647,83.378 ; R560.2@-82.955,83.378 ccw(c-83.699,83.378) -83.173,83.904 ccw(c-82.647,84.43) R560.2@-82.647,83.686
  other v2: -85.573,90.881
FEED_21: P21.3 R563.2 | length 17.9
  Top Layer w0.4: -78.664,90.272 -78.664,93.523 -77.546,94.64 P21.3@-76.958,94.64 ; -78.664,93.523 cw(c-77.424,92.284) P21.3@-77.084,94.003 ; -78.134,94.053 cw(c-77.249,93.168) P21.3@-77.006,94.395
  Bottom Layer w0.4: v2(-78.664,90.881) -78.664,85.45 R563.2@-76.592,83.378 ; R563.2@-76.9,83.378 ccw(c-77.643,83.378) -77.117,83.904 ccw(c-76.592,84.43) R563.2@-76.592,83.686
FEED_22: P22.3 R566.2 | length 20
  Top Layer w0.4: -71.653,93.599 cw(c-70.427,92.373) P22.3@-69.891,94.022 ; v2@-71.603,90.729 -71.653,90.78 -71.653,93.599 -70.612,94.64 ; -71.192,94.061 cw(c-70.201,93.069) P22.3@-69.767,94.403 ; -70.73,94.522 cw(c-69.974,93.766) P22.3@-69.644,94.783 ; P22.3@-70.302,94.422 ccw(c-70.612,94.312) -70.612,94.64 ; P22.3@-70.302,94.859 cw(c-70.612,94.969) -70.612,94.64 ; P22.3@-69.69,94.64 -70.612,94.64
  Bottom Layer w0.4: v2@-71.603,91.031 -70.536,89.965 -70.536,89.662 R566.2@-70.536,83.378 ; R566.2@-70.754,83.596 ccw(c-71.28,84.122) -70.536,84.122 ccw(c-69.792,84.122) R566.2@-70.318,83.596
  other v2: -71.603,90.881
FEED_23: P23.3 R569.2 | length 17.3
  Top Layer w0.4: -64.414,90.399 -64.414,93.269 -63.043,94.64 P23.3@-62.423,94.64 ; -64.414,93.269 cw(c-62.652,91.507) P23.3@-62.47,93.992 ; -63.796,93.887 cw(c-62.568,92.658) P23.3@-62.441,94.391
  Bottom Layer w0.4: R569.2@-64.698,83.596 ccw(c-65.383,84.28) -64.414,84.28 ; R569.2@-64.48,83.378 -64.414,83.444 -64.414,90.399 ; -64.414,83.963 ccw(c-63.895,83.963) R569.2@-64.262,83.596
  other v2: -64.414,90.881
FEED_24: P24.3 R572.2 | length 19.6
  Top Layer w0.4: v2@-57.429,90.703 -57.429,93.142 -55.931,94.64 P24.3@-55.155,94.64 ; -57.429,93.142 cw(c-55.366,91.078) P24.3@-55.194,93.992 ; -56.8,93.772 cw(c-55.296,92.267) P24.3@-55.17,94.391 ; -56.17,94.401 cw(c-55.225,93.456) P24.3@-55.147,94.79
  Bottom Layer w0.4: R572.2@-58.424,83.378 -57.429,84.373 v2@-57.429,90.703 ; R572.2@-58.424,83.686 ccw(c-58.424,84.43) -57.899,83.904 ccw(c-57.373,83.378) R572.2@-58.116,83.378
  other v2: -57.429,90.881
FEED_25: P25.3 R575.2 | length 18.2
  Top Layer w0.4: v2@-50.343,90.703 -50.343,92.685 -48.387,94.64 P25.3@-47.888,94.64 ; -49.849,93.178 cw(c-47.888,91.216) P25.3@-47.888,93.99 ; -49.167,93.861 cw(c-47.888,92.582) P25.3@-47.888,94.39
  Bottom Layer w0.4: R575.2@-52.369,83.378 -50.343,85.404 v2@-50.343,90.703 ; R575.2@-52.369,83.686 ccw(c-52.369,84.43) -51.843,83.904 ccw(c-51.317,83.378) R575.2@-52.061,83.378
  other v2: -50.343,90.881
FEED_26: P26.3 R578.2 | length 17.3
  Top Layer w0.4: v2(-42.748,90.881) -42.748,92.513 P26.3@-40.621,94.64 ; P26.3@-41.271,94.64 cw(c-42.84,94.64) -41.73,93.531 cw(c-40.621,92.421) P26.3@-40.621,93.99
  Bottom Layer w0.4: R578.2@-46.531,83.596 ccw(c-47.057,84.122) -46.313,84.122 ccw(c-45.569,84.122) R578.2@-46.095,83.596 ; R578.2@-46.313,83.378 -46.313,85.919 -42.748,89.484 v2(-42.748,90.881)